# KiCad board Turbo_XT_Mainboard R3.kicad_pcb (continued)
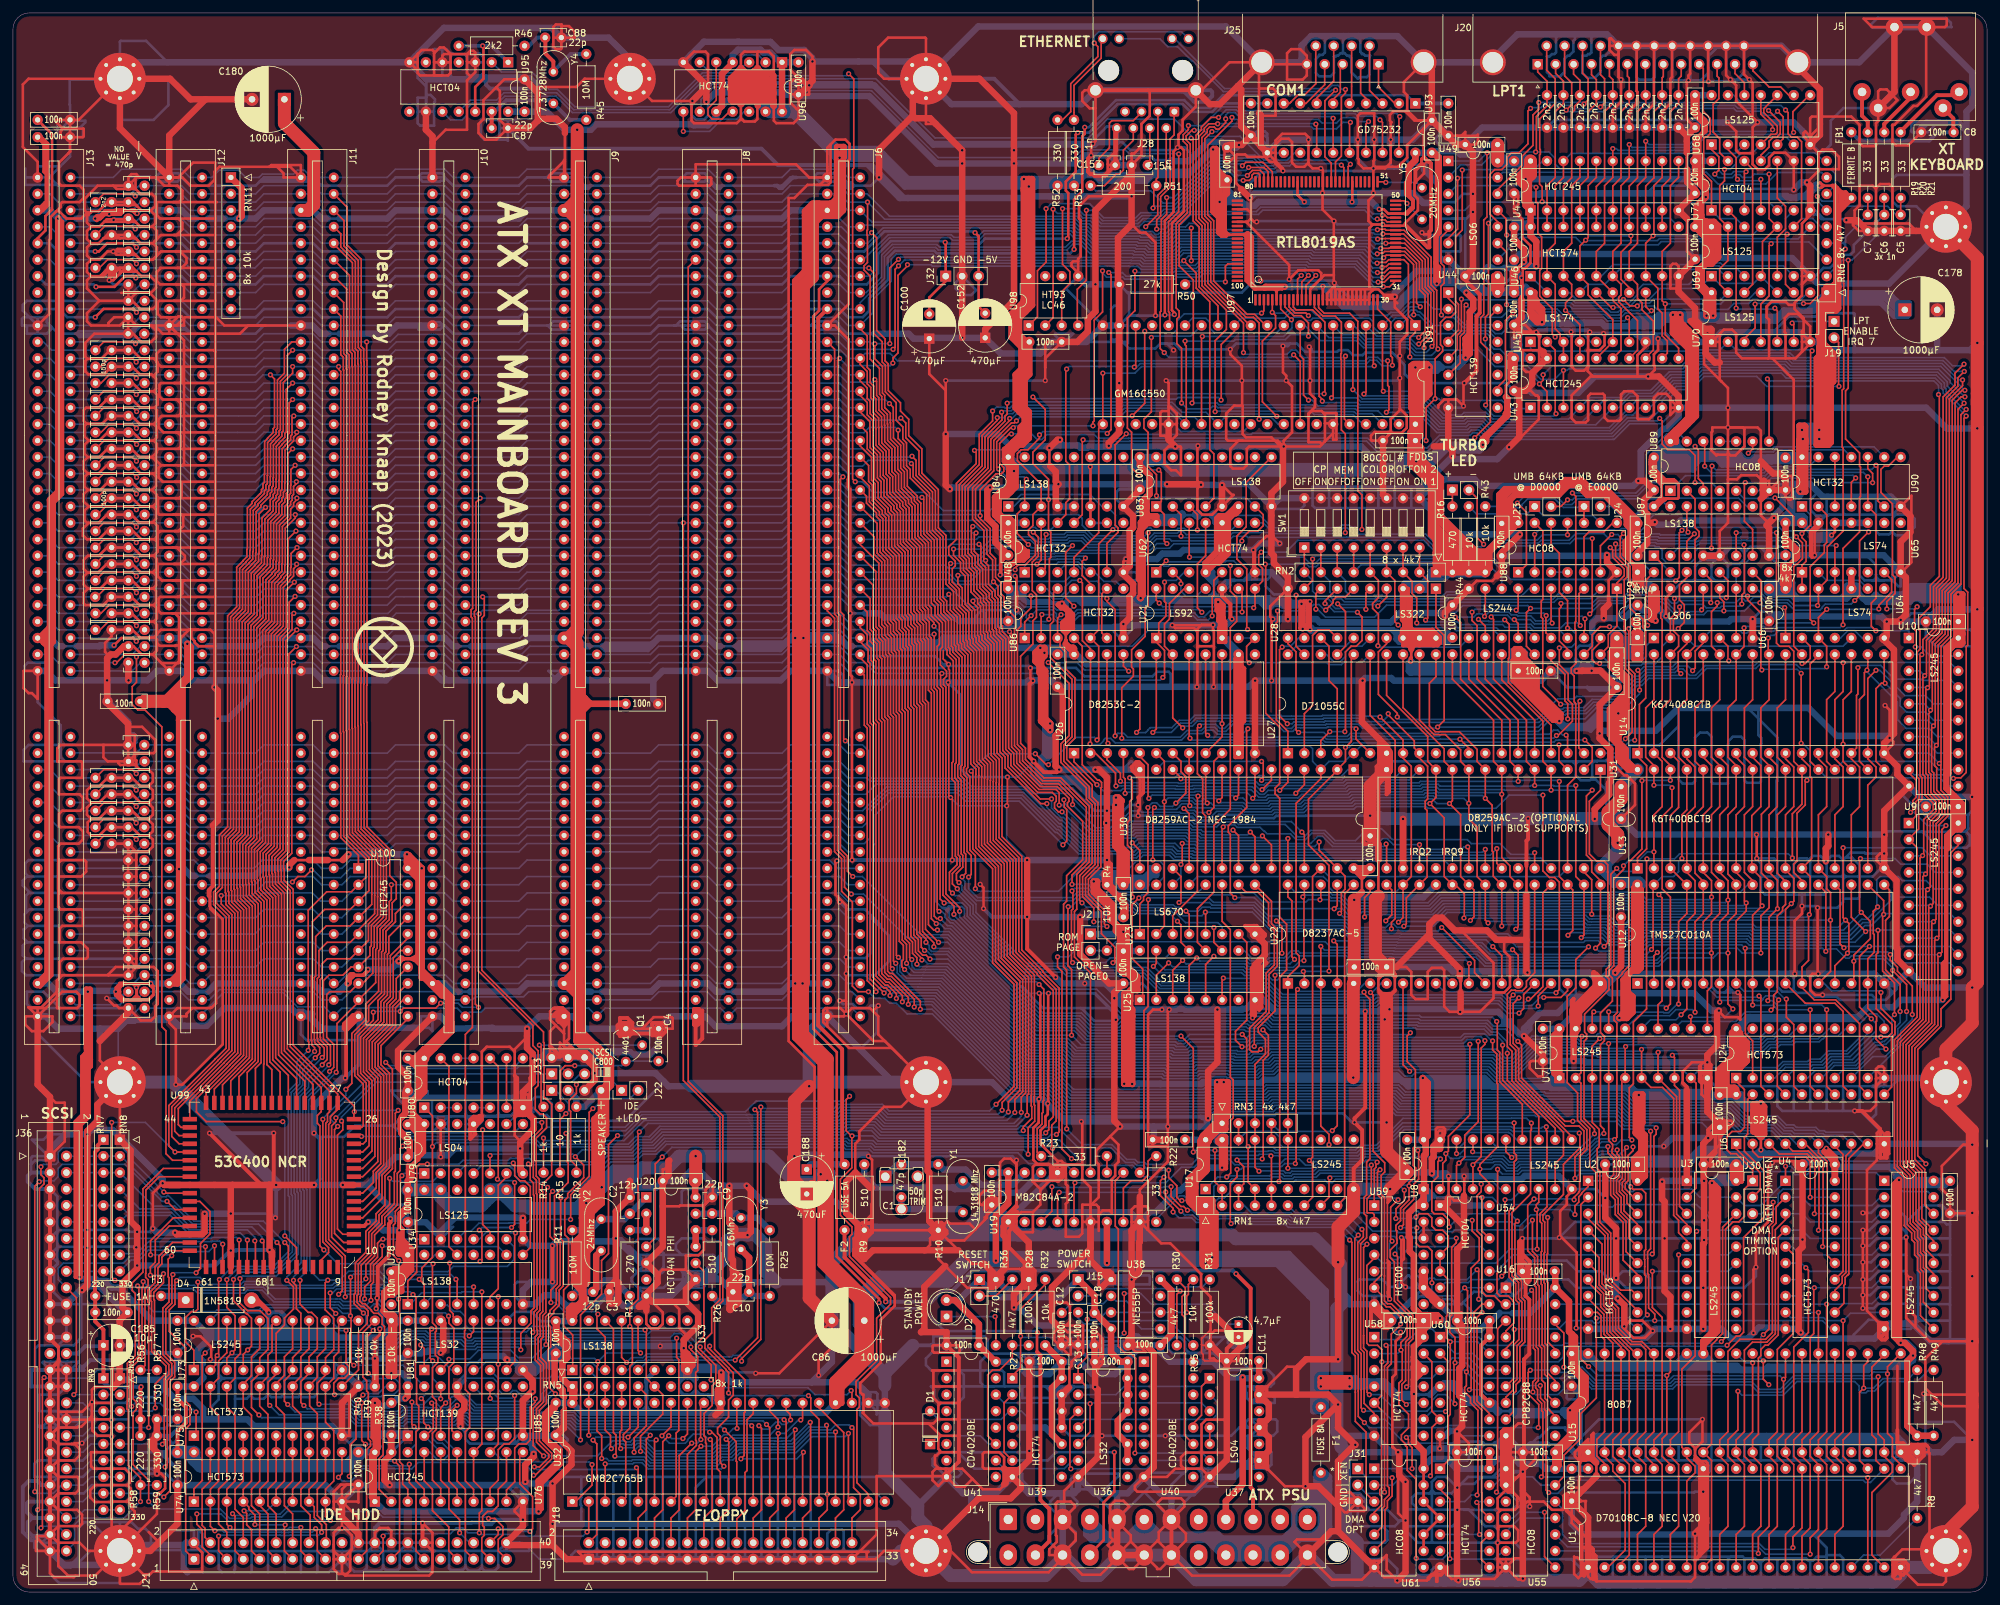
[diagram p0: board, top side]
## Routing (per net, layer and track width the routed paths; a pad name or vN(x,y) marks a point on that pad's centre or on a via; arc(x,y) is an arc through that point) (continued)
  Top w0.4: 105.54,217.17 105.41,217.3 J8.1 ; 105.54,217.17 107.57,217.17 107.82,217.42 107.82,218.31 107.7,218.44 J8.1 ; 105.54,217.17 102.87,217.17 102.62,217.42 102.62,217.93 103.12,218.44 J8.1 ; v1(229.24,7.62) 229.3,7.69 229.3,9.72 ; v1(229.24,7.62) 229.24,5.08 ; v1(229.24,7.62) 232.03,7.62 232.41,8 232.41,9.52 231.77,10.16 229.49,10.16 229.3,9.98 229.3,9.72 ; 156.34,45.72 157.86,47.24 157.86,49.66 157.48,50.04 155.83,50.04 155.83,47.24 155.57,46.99 ; 156.34,45.72 v1(154.56,43.94) ; 156.34,45.72 156.34,45.97 156.84,46.48 R28.1 156.84,48.51 155.45,49.91 153.54,49.91 152.78,49.15 152.78,48.51 152.72,48.45 ; v1(15.17,26.6) 15.1,26.67 12.46,26.67 12.39,26.6 ; v1(15.17,26.6) 15.24,26.67 15.24,29.21 ; v1(15.17,26.6) 15.24,26.53 15.24,24.26 ; U97.26 U97.25 ; U97.26 208.09,201.1 208.03,201.17 ; U97.26 U97.27 ; U97.25 207.44,201.11 207.39,201.17 ; U97.25 U97.24 ; 294,19.94 293.5,19.94 292.74,20.7 292.74,22.61 ; 294,19.94 292.74,19.94 290.96,21.72 290.96,34.93 ; 294,19.94 R8.1 ; 294,19.94 293.62,19.56 293.5,19.56 ; 16.57,203.64 16.51,203.71 16.51,204.47 ; 16.57,203.64 15.88,202.95 ; 16.57,203.64 16.83,203.9 ; J36.47 6.98,7.62 10.29,7.62 11.56,6.35 H6.1 ; J36.47 7,10.18 10.31,10.18 10.67,10.54 10.67,11.94 9.91,12.7 6.98,12.7 J36.43 6.98,15.24 9.65,15.24 10.16,15.75 10.16,17.53 9.91,17.78 6.98,17.78 J36.39 6.98,20.32 9.52,20.32 10.29,21.08 10.29,22.1 9.52,22.86 9.02,22.86 ; J36.47 5.59,8.89 5.33,8.64 3.68,8.64 3.68,8.38 3.87,8.19 ; 277.5,160.02 277.75,159.77 278.13,159.77 ; 277.5,160.02 277.5,160.15 ; 277.5,160.02 278.1,160.02 v1(278.18,160.1) ; 231.9,5.21 232.79,5.21 233.12,4.87 ; 231.9,5.21 231.77,5.08 230.5,5.08 ; 231.9,5.21 U55.7 ; C45.2 53.34,13.84 53.21,13.97 U74.10 ; C45.2 50.8,14.05 U74.10 ; C45.2 50.63,16.59 49.53,15.49 49.53,13.97 ; C45.2 51.51,16.59 50.8,15.88 U74.10 ; 21.72,149.86 19.61,149.86 18.34,151.13 C133.2 C120.1 ; 21.72,149.86 22.22,150.37 22.22,151.89 21.72,152.4 ; 21.72,149.86 22.22,149.35 22.22,147.83 ; v1(66.04,36.96) 66.17,36.83 ; 106.68,59.69 103,59.69 102.87,59.56 100.33,59.56 ; 106.68,59.69 C9.1 ; 106.68,59.69 106.93,59.94 ; 106.68,59.69 106.68,52.83 105.85,52 104.58,52 104.52,51.94 103.89,51.94 103.89,49.91 103.76,49.78 ; 12.06,203.2 11.43,203.84 11.43,205.11 12.06,205.74 ; 12.06,203.2 11.43,202.56 11.43,201.3 13.33,199.39 ; 12.06,203.2 13.59,203.2 ; 260.35,79.25 260.48,79.38 U7.10 260.6,80.39 260.6,81.15 260.48,81.28 ; 260.35,79.25 260.35,78.87 260.73,78.49 260.73,76.84 261.49,76.07 261.62,76.07 ; 260.35,79.25 260.35,81.15 260.48,81.28 ; C59.2 10.79,224.66 10.92,224.79 10.92,225.93 10.88,225.98 8.81,225.98 ; C59.2 8.81,222.42 8.57,222.19 ; C59.2 8.81,225.98 ; C59.2 7.37,224.66 7.37,225.55 7.56,225.74 7.56,226.12 ; 229.24,5.08 230.5,5.08 ; 229.24,5.08 U55.7 ; 229.24,5.08 229.24,2.54 229.04,2.35 ; 230.5,5.08 U55.7 ; 15.88,202.95 15.68,203.14 15.68,203.64 ; 15.88,202.95 15.49,202.56 v1(14.86,202.56) ; 15.24,13.84 15.37,13.97 17.53,13.97 ; 15.24,13.84 15.24,7.62 H6.1 ; 15.24,13.84 15.24,14.1 ; 12.06,208.28 11.43,207.64 11.43,206.38 12.06,205.74 ; 12.06,208.28 13.25,208.28 13.99,209.02 ; 12.06,208.28 11.43,208.92 11.43,210.19 12.06,210.82 ; 219.34,68.09 220.22,68.96 220.34,68.96 220.34,69.85 ; 173.99,58.67 173.99,59.56 ; 173.99,59.56 173.23,59.56 172.72,59.06 172.72,57.15 ; 173.99,59.56 173.99,62.14 178.31,66.46 178.31,68.83 ; 173.99,59.56 175.01,59.56 175.26,59.31 175.26,57.4 ; 167.64,57.15 167.64,55.75 ; 167.64,57.15 U19.6 ; 167.64,57.15 167.64,58.04 ; 212.79,179.14 212.42,178.77 212.42,178.69 ; 212.79,179.14 210.25,179.14 209.68,178.56 209.68,177.93 209.8,177.8 C71.2 ; 212.79,179.14 212.72,179.21 212.72,181.1 214.12,182.5 214.12,182.75 ; U65.13 278.13,164.47 278.13,163.96 ; U65.13 277.75,164.08 ; U65.13 279.15,164.72 ; U65.13 278.76,165.35 ; U65.13 278.76,164.34 278.13,163.7 ; U65.13 278.76,164.72 278.13,164.08 278.13,163.96 ; 232.77,194.54 232.77,191.92 233.04,191.64 ; 232.77,194.54 231.77,193.55 C43.2 233.51,195.66 234.29,194.87 234.29,194.54 ; 232.77,194.54 232.89,194.54 ; 25.65,146.18 25.65,150.5 25.02,151.13 24.64,151.13 ; 25.65,146.18 25.65,143.51 25.59,143.45 22.92,143.45 ; 25.65,146.18 25.13,146.18 25.08,146.12 22.66,146.12 22.22,146.56 22.22,147.07 ; 154.81,58.8 153.67,57.66 U19.1 ; 154.81,58.8 155.07,58.8 155.19,58.67 U19.1 ; 154.81,58.8 154.43,58.8 ; 202.12,177.23 201.8,177.55 200.02,177.55 200.02,181.61 ; 202.12,177.23 201.78,176.89 v1(196.2,176.89) ; 202.12,177.23 202.56,177.67 ; J6.80 125.73,87.38 ; J6.80 128.27,88.9 v1(128.65,89.28) ; J6.80 125.73,90.17 ; 125.73,87.38 129.1,84.01 135.7,84.01 ; 125.73,87.38 125.09,88.01 125.09,89.79 125.48,90.17 125.73,90.17 ; 210.44,125.35 210.44,127.51 210.82,127.89 210.82,129.54 ; 290.19,4.19 290.19,5.08 291.72,6.6 295.2,6.6 H10.1 ; 290.19,4.19 290.19,2.41 290.58,2.03 291.34,2.03 291.46,2.16 U1.20 ; 290.19,4.19 290.58,3.81 U1.20 ; 172.72,211.2 173.99,209.93 174.88,209.93 176.4,208.41 v1(176.4,197.1) ; v1(167,40.39) 167.89,39.5 ; v1(167,40.39) C18.2 ; v1(167,40.39) 166.62,40.39 166.62,38.48 C18.2 ; 167.89,39.5 167.89,36.37 C15.2 168.02,35.56 168.27,35.31 ; 167.89,39.5 168.27,39.12 168.27,37.97 ; 235.65,190.43 235.65,189.3 235.58,189.23 ; 235.65,190.43 236.79,190.43 U43.19 235.58,191.77 233.17,191.77 233.04,191.64 ; 235.65,190.43 235.65,192.21 ; v1(213.74,1.78) 212.09,3.43 212.09,5.71 211.33,4.95 ; v1(213.74,1.78) 213.23,2.29 211.71,2.29 U61.7 ; v1(213.74,1.78) 218.31,1.78 218.57,2.03 219.07,2.67 U56.7 222.12,2.03 222.95,2.03 v1(223.17,1.81) 223.39,2.03 228.73,2.03 229.04,2.35 ; 21.19,121.52 20.79,121.92 19.68,121.92 18.41,123.19 C158.1 C163.1 14.6,123.19 13.33,121.92 12.23,121.92 ; 21.19,121.52 21.19,121.69 20.95,121.92 21.59,122.56 21.59,123.82 20.95,124.46 ; 21.19,121.52 21.59,121.12 21.59,120.02 20.95,119.38 20.79,119.38 ; 207.39,201.17 208.03,201.17 ; 207.39,201.17 206.88,201.17 ; 27.56,148.59 27.56,147.32 28.06,146.82 28.06,146.63 28.64,146.05 31.24,146.05 ; 27.56,148.59 28.57,148.59 ; 27.56,148.59 27.18,148.59 25.91,147.32 25.91,144.02 J12.31 22.92,143.45 ; 49.53,5.08 49.53,3.56 50.29,2.79 51.56,2.79 52.07,3.3 52.07,5.08 ; 49.53,5.08 49.53,7.37 ; 49.53,5.08 J21.19 ; 160.27,63.75 160.02,63.5 ; 160.27,63.75 160.53,63.5 ; 160.27,63.75 U19.15 ; 160.02,63.5 158.62,62.1 ; 160.02,63.5 160.15,63.63 160.15,65.91 ; 11.56,175.26 11.05,175.77 11.05,177.16 11.68,177.8 ; 11.56,175.26 13.33,175.26 14.6,176.53 C110.1 C143.2 18.29,176.53 19.39,175.43 19.45,175.43 19.62,175.26 20.45,175.26 ; 11.56,175.26 10.92,174.62 10.92,173.35 11.56,172.72 ; J31.3 206.18,12.51 ; J31.3 207.64,14.22 206.5,15.37 204.72,15.37 204.6,15.24 204.6,14.1 ; J31.3 208.79,12.83 208.79,12.7 208.6,12.51 206.18,12.51 ; 206.18,12.51 205.99,12.32 205.61,12.32 204.6,13.33 ; 125.73,90.17 127.76,90.17 v1(128.65,89.28) ; 18.99,200.62 19.02,200.59 C122.2 ; 18.99,200.62 18.58,200.62 ; 18.99,200.62 19.03,200.66 21.07,200.66 21.14,200.59 ; U61.7 210.19,4.83 ; U61.7 211.33,4.95 ; U61.7 208.28,1.91 203.68,1.91 J14.24 ; 210.19,4.83 209.17,4.83 ; 210.19,4.83 211.2,4.83 211.33,4.95 ; C40.2 240.66,16.13 242.32,16.13 242.53,15.92 ; C40.2 239.42,12.8 ; C40.2 240.66,10.67 243.2,8.13 243.2,4.95 ; C40.2 240.64,14.07 239.42,14.07 ; C40.2 239.65,15.07 239.6,15.07 239.39,14.86 239.42,14.84 239.42,14.07 ; C40.2 242.87,14.05 242.8,13.98 242.8,11.91 ; 264.79,171.83 264.79,165.1 263.52,163.83 263.52,160.02 ; 264.79,171.83 264.79,175.64 ; 264.79,171.83 266.19,171.83 266.83,172.47 269.24,172.47 270.13,171.58 ; 83.82,87.5 82.93,88.39 82.93,88.65 ; 83.82,87.5 82.93,86.61 82.93,82.93 83.18,82.68 J33.2 84.45,82.55 84.45,84.84 85.72,83.57 ; 83.82,87.5 85.09,86.23 ; 250.82,187.71 243.59,187.71 240.66,184.78 240.66,181.23 241.3,180.59 242.82,180.59 243.2,180.97 243.2,184.66 243.59,185.04 245.49,185.04 245.75,184.78 245.75,181.36 246.25,180.85 248.03,180.85 248.28,181.1 248.28,184.91 248.79,185.42 250.06,185.42 250.82,184.66 250.82,181.23 250.95,181.1 252.6,181.1 253.37,181.86 253.37,184.4 254,185.04 255.27,185.04 255.9,184.4 255.9,183.9 ; 250.82,187.71 250.82,191.01 252.09,192.28 U45.8 ; 250.82,187.71 v1(252.48,187.71) ; 19.05,100.33 19.05,102.87 ; 19.05,100.33 C172.2 ; 19.05,100.33 19.05,97.79 ; 19.05,102.87 19.05,105.54 ; 19.05,102.87 C171.2 ; 84.76,25.57 84.76,27.99 85.16,28.39 85.16,28.63 ; 84.76,25.57 84.63,25.57 83.82,24.76 C96.2 ; 84.76,25.57 84.76,25.15 ; 244.09,2.03 244.47,2.03 244.47,2.41 ; 244.09,2.03 244.47,1.65 259.08,1.65 259.71,2.29 v1(259.71,9.02) ; 244.09,2.03 243.59,2.03 243.2,2.41 U1.1 ; 257.81,78.61 257.81,80.39 259.21,81.79 v1(261.61,81.79) 260.99,81.79 260.48,81.28 ; 137.16,82.55 135.7,84.01 ; 137.16,82.55 134.62,85.09 132.84,85.09 v1(128.65,89.28) ; 137.16,82.55 H4.1 137.16,74.93 134.49,74.93 130.68,71.12 130.68,69.85 130.05,69.22 130.05,64.77 ; 135.7,84.01 133.6,86.11 133.6,88.9 132.91,89.6 ; 11.49,190.43 11.18,190.74 11.18,192.91 12.57,194.31 C105.1 ; 11.49,190.43 11.18,190.12 11.18,188.47 11.61,188.03 14.04,188.03 C104.1 C148.2 18.41,189.23 19.62,188.03 21.39,188.03 21.65,187.77 ; 11.49,190.43 13.65,190.43 14.99,191.77 C103.1 C149.2 18.41,191.77 19.68,190.5 21.72,190.5 22.35,189.87 22.35,188.47 21.65,187.77 ; C168.1 19.05,110.49 ; C168.1 C167.1 ; C168.1 17.82,110.45 C169.2 ; 19.05,110.49 19.05,107.95 ; 19.05,110.49 19.05,113.03 ; U97.83 190.58,213.54 191.13,212.98 ; 233.68,112.08 233.68,107.63 ; 22.22,147.07 22.22,145.41 21.59,144.78 ; 22.22,147.07 21.84,147.45 21.79,147.39 ; v1(22.22,18.29) 22.86,18.29 23.49,17.65 23.49,16 22.8,15.31 22.55,15.31 22.22,14.99 22.22,12.06 H6.1 ; 277.75,164.08 277.5,163.83 277.5,160.15 ; 277.75,164.08 277.75,160.53 v1(278.18,160.1) ; 255.9,201.8 255.9,201.3 256.79,201.3 257.18,201.68 U46.10 ; 255.9,201.8 255.9,204.72 256.29,205.11 256.79,205.11 257.18,204.72 U46.10 ; 255.9,201.8 255.9,201.93 ; 151,49.28 151,47.24 ; 151,49.28 151.76,48.51 R36.2 ; 151,49.28 149.61,50.67 148.08,50.67 144.46,54.29 ; 151,47.24 151,47.5 R36.2 ; 151,47.24 151,46.86 ; v1(233.12,18.59) 232.19,17.65 230.89,17.65 230.5,18.03 ; v1(233.12,18.59) 235.08,20.54 235.08,21.46 234.95,21.59 C64.2 230.63,21.59 230.5,21.46 ; v1(233.12,18.59) 231.05,16.51 U55.2 ; v1(263.4,89.79) 263.4,89.66 264.29,88.77 266.32,88.77 266.7,88.39 266.7,92.2 v1(266.32,92.58) ; 120.01,231.27 120.01,230 121.03,228.98 121.28,228.98 ; 120.01,231.27 121.24,231.27 C46.2 ; 120.01,231.27 120.01,233.05 120.52,233.55 121.79,233.55 121.92,233.68 122.49,233.11 ; C173.2 19.09,96.52 19.56,96.52 ; C173.2 C174.2 ; C173.2 C172.2 ; C173.2 19.05,97.79 ; 103.76,49.78 100.26,49.78 99.54,49.05 ; 103.76,49.78 103.89,49.78 U20.9 ; 165.1,65.28 165.1,63.75 166.37,62.48 U19.6 ; 165.1,65.28 165.1,72.52 v1(164.96,72.66) ; 165.1,65.28 165.1,65.91 164.97,66.04 162.56,66.04 U19.15 ; 64.77,5.71 64.77,3.05 64.26,2.54 51.31,2.54 50.8,3.05 J21.19 ; 64.77,5.71 64.77,6.35 J21.30 64.77,7.62 ; 64.77,5.71 64.77,7.62 ; 212.85,92.46 212.09,91.69 212.09,91.57 ; 212.85,92.46 213.43,93.03 ; 212.85,92.46 212.85,90.3 212.09,89.53 ; 212.85,92.46 211.45,92.46 ; 115.06,237.87 112.9,237.87 112.39,237.36 112.39,227.58 112.65,227.33 ; 115.06,237.87 114.94,237.74 114.94,235.33 115,234.88 115,229.55 114.94,229.48 114.94,227.46 114.55,227.08 112.9,227.08 112.65,227.33 ; 115.06,237.87 116.71,237.87 117.47,237.11 117.47,227.2 117.86,226.82 120.52,226.82 121.28,227.58 121.28,228.98 ; 241.94,20.19 242.13,20.38 244.03,20.38 244.03,24.57 243.71,24.26 243.71,22.1 U15.1 ; 241.94,20.19 241.17,20.95 241.17,21.59 242.25,22.67 ; 241.94,20.19 241.94,19.81 ; 49.53,13.97 49.53,12.95 50.16,12.32 50.8,12.32 ; 49.53,13.97 U74.10 ; 269.88,170.18 270,170.05 U89.7 ; 269.88,170.18 269.88,171.2 270.13,171.45 270.13,171.58 ; 269.88,170.18 269.88,166.24 270.7,165.42 271.46,165.42 ; 222.96,43.13 223.01,43.18 223.65,43.18 223.65,42.42 223.14,41.91 C76.2 222.96,40.56 223.76,39.77 ; 77.47,83.44 77.47,83.81 79.38,85.71 79.38,85.85 ; 77.47,83.44 76.71,84.2 73.15,84.2 72.39,83.44 72.39,73.53 71.12,72.26 ; 77.47,83.44 77.47,76.07 ; J5.SH J5.SH 287.05,241.66 285.75,242.95 298.58,242.95 298.58,241.94 298.3,241.66 J5.SH ; J5.SH 295.4,241.57 295.4,230.89 294,229.49 293.43,229.49 290.5,226.57 290.19,226.57 290.19,223.9 290.7,223.39 292.61,223.39 C8.2 ; v1(196.2,176.89) 190.86,176.89 190.5,176.53 190.5,173.99 189.99,173.48 188.34,173.48 187.96,173.86 187.96,176.53 189.23,177.8 189.87,177.8 ; v1(196.2,176.89) 196.2,177.78 197.49,179.07 197.49,186.18 v1(196.6,187.07) 196.6,187.83 196.09,188.34 v1(196.09,192.41) ; v1(196.2,176.89) 195.29,177.8 189.87,177.8 ; v1(196.2,176.89) 195.73,176.89 194.31,178.31 190.37,178.31 189.87,178.82 189.87,183.13 189.8,183.2 ; 14.86,144.53 14.22,145.16 14.22,146.56 15.24,147.57 C121.1 C132.2 18.46,148.59 19.66,147.39 21.79,147.39 ; 210.89,92.77 210.89,93.02 ; 210.89,92.77 210.89,92.51 211.2,92.2 ; 210.89,92.77 211.2,92.46 ; 210.89,93.02 211.45,92.46 ; 210.89,93.02 210.82,93.09 210.82,94.6 210.89,94.67 ; 24.38,196.85 24.26,196.85 24.13,196.72 ; 24.38,196.85 23.75,196.85 ; 24.38,196.85 25.15,196.85 25.27,196.72 ; 229.04,2.35 U55.7 ; 174.24,223.27 173.1,222.12 172.72,222.12 C154.1 174.24,221.87 174.24,223.27 ; 174.24,223.27 174.24,226.69 175.51,227.97 175.51,231.66 175.27,231.91 ; J36.29 8.25,31.75 8.25,34.29 J36.27 ; C94.2 151.13,62.1 151,61.98 149.99,61.98 149.22,61.21 149.22,60.07 149.53,59.77 C94.2 ; C94.2 152.4,61.04 152.4,62.87 ; C94.2 151.13,59.18 150.37,58.42 150.37,57.79 150.05,57.47 ; C125.2 18.41,207.01 18.99,206.44 ; C125.2 17.31,206.5 16.64,206.5 ; C125.2 17.44,207.39 16.13,207.39 15.75,207.01 v1(15.49,207.01) 16,206.5 16.64,206.5 ; C125.2 14.6,207.01 13.33,205.74 12.06,205.74 ; 31.24,181.74 31.24,179.2 ; 31.24,181.74 31.24,184.28 ; 31.24,181.74 31.11,181.61 25.27,181.61 ; 31.24,179.2 31.11,179.07 25.27,179.07 ; 31.24,179.2 31.24,176.28 ; v1(187.96,191.9) 187.96,191.13 189.74,189.36 v1(189.74,187.07) 189.8,187.01 189.8,183.2 ; 24.89,199.39 22.59,199.39 22.35,199.15 22.35,197.36 22.86,196.85 23.75,196.85 ; 24.89,199.39 31.24,199.39 ; 24.89,199.39 25.91,199.39 26.42,199.9 26.42,201.55 26.03,201.93 25.27,201.93 ; 65.02,237.62 65.02,237.87 64.77,238.12 63.12,238.12 62.61,237.62 ; 65.02,237.62 65.02,236.22 ; 65.02,237.62 65.91,238.51 66.55,238.51 67.56,237.49 67.56,236.22 ; 247.9,237.49 247.9,238.74 J20.18 ; 247.9,237.49 247.78,237.36 247.27,237.36 246.51,238.12 246.51,238.76 ; 247.9,237.49 247.9,233.93 v1(248.28,233.55) 248.28,230.12 247.01,228.85 C24.2 ; 287.53,211.33 290.19,211.33 ; 287.53,211.33 284.1,211.33 284.1,211.07 284.99,210.19 C7.2 284.35,212.22 284.35,213.36 285.12,214.12 285.12,217.04 285.24,217.17 287.15,217.17 287.65,216.66 ; 287.53,211.33 287.65,211.45 287.65,216.66 ; 290.19,211.33 290.19,216.92 289.69,217.42 288.29,217.42 287.65,216.79 287.65,216.66 ; 290.19,211.33 292.74,211.33 293.88,210.19 ; 208.79,201.17 208.03,201.17 ; 208.79,201.17 208.75,201.12 U97.27 ; 208.79,201.17 210.09,201.17 ; 183.45,49.09 183.45,47.05 184.91,45.58 184.91,39.75 ; 183.45,49.09 183.46,49.09 ; 183.45,49.09 178.69,53.85 177.29,53.85 175.2,55.94 ; C72.2 275.84,66.04 275.34,66.55 271.91,66.55 v1(271.65,66.29) 270.98,65.62 270.98,57.11 269.11,55.24 v1(269.11,50.16) 268.73,49.78 v1(268.73,40) ; C106.1 C147.2 18.48,186.69 19.75,185.42 21.72,185.42 ; 62.48,236.09 62.48,237.49 62.61,237.62 ; 62.48,236.09 62.48,234.95 ; 62.48,236.09 62.36,236.22 U95.7 ; J33.4 86.8,83.63 ; 86.8,83.63 87.88,82.55 J33.6 ; 86.8,83.63 86.3,84.14 ; 198.5,34.8 196.72,34.8 U37.13 ; 184.91,39.75 184.91,38.23 R31.1 184.78,36.07 185.42,36.07 185.8,35.69 C17.2 189.1,35.69 189.23,35.81 C11.2 188.21,40.39 185.55,40.39 184.91,39.75 ; H6.1 12.7,2.54 9.65,2.54 ; H6.1 20.13,2.73 ; H6.1 16.51,1.4 16.64,1.27 19.56,1.27 20.45,2.16 20.45,2.41 20.13,2.73 ; 210.89,94.67 210.89,95.32 ; 210.89,94.67 210.89,94.68 211.52,95.32 211.65,95.32 ; 210.89,95.32 211.27,95.32 ; 210.89,95.32 C53.2 ; 210.89,95.32 211.65,95.32 ; C88.2 86.74,240.03 86.74,240.92 85.85,241.81 84.71,241.81 ; C88.2 84.67,238.34 84.58,238.25 83.82,238.25 83.44,238.63 83.44,240.03 ; C88.2 84.71,240.07 84.71,241.81 ; C88.2 83.44,240.03 ; 202.68,8.52 202.28,8.13 198.25,8.13 197.87,7.75 199.87,5.74 J14.24 ; 21.46,170.18 22.22,169.42 22.22,169.16 ; 21.46,170.18 22.1,170.81 22.1,172.21 21.59,172.72 ; 21.46,170.18 19.62,170.18 19.45,170.35 19.39,170.35 18.29,171.45 C141.2 C112.1 14.73,171.45 13.46,170.18 11.56,170.18 ; 19.56,218.44 22.1,218.44 ; 19.56,218.44 19.05,218.44 ; 19.56,218.44 19.05,218.95 18.29,218.95 17.82,218.48 C129.2 ; 22.1,218.44 J12.1 ; 22.1,218.44 23.37,217.17 24.26,217.17 ; U69.7 276.22,201.93 ; U69.7 276.22,203.2 ; U69.7 276.29,204.41 ; 276.22,201.93 276.22,200.22 275.08,199.07 275.08,198.75 ; 276.22,201.93 276.22,203.2 ; 70.1,236.35 70.23,236.22 U95.3 ; 70.1,236.35 70.1,237.49 70.61,238 71.12,238 71.37,237.74 71.37,237.49 ; 70.1,236.35 70.1,234.57 70.68,234 ; 288.93,70.49 288.93,70.74 288.54,71.12 288.04,71.12 287.78,70.87 287.78,69.22 ; 288.93,70.49 288.93,70.61 289.31,70.99 289.56,70.99 289.69,70.87 289.69,67.69 289.43,67.44 288.93,67.44 U6.10 ; 288.93,70.49 U6.10 ; 24.51,212.09 22.73,212.09 22.22,212.6 22.22,214.63 24.76,214.63 ; 24.51,212.09 25.53,212.09 26.16,211.45 26.16,210.44 25.27,209.55 24.89,209.55 ; 24.51,212.09 31.24,212.09 ; v1(10.67,22.99) 9.52,22.99 9.4,22.86 9.02,22.86 ; v1(191.01,215.26) 191.13,215.14 191.13,212.98 ; v1(278.18,160.1) 278.18,163.66 278.13,163.7 ; v1(278.18,160.1) 277.54,160.1 277.5,160.15 ; 6.73,213.23 7.37,213.87 7.37,214.38 7.62,214.63 10.29,214.63 10.92,215.26 10.92,216.53 10.29,217.17 7.49,217.17 7.11,217.55 7.11,220.73 8.57,222.19 ; 6.73,213.23 5.84,212.34 5.84,209.04 5.59,208.79 5.59,197.36 J13.10 ; 6.73,213.23 7.11,213.23 7.89,212.46 7.89,212.46 8.25,212.09 10.54,212.09 11.49,213.04 12,213.04 ; v1(204.02,202.16) 204.02,201.36 204.19,201.19 ; v1(204.02,202.16) 203.94,202.24 203.94,203.35 ; v1(204.02,202.16) 204.02,201.61 203.52,201.1 ; 293.5,19.56 294,20.07 R8.1 ; 293.5,19.56 U15.20 ; U19.9 172.72,57.15 ; U19.9 175.01,57.15 175.26,57.4 ; U19.9 175.2,55.94 ; 172.72,57.15 172.72,55.63 ; 17.82,200.62 C122.2 ; 17.82,200.62 18.58,200.62 ; 17.82,200.62 C123.2 ; C122.2 13.33,199.39 ; C122.2 18.41,199.39 19.68,198.12 21.59,198.12 22.1,198.63 22.1,199.63 21.14,200.59 ; 287.65,79.25 287.78,79.38 U24.10 ; 287.65,79.25 287.65,78.1 ; 287.65,79.25 287.65,80.39 ; 210.82,129.54 210.82,131.83 ; 210.82,129.54 U27.7 ; U19.1 153.67,58.04 153.99,58.36 ; U19.1 154.81,57.15 154.94,57.28 ; 21.84,208.53 22.86,209.55 24.89,209.55 ; 21.84,208.53 21.59,208.28 ; 21.84,208.53 22.22,208.92 22.22,210.19 21.59,210.82 21.46,210.82 ; 14.17,214.18 14.62,214.63 C98.1 C128.2 18.67,214.63 18.67,214.5 19.18,214 ; 14.17,214.18 19,214.18 19.18,214 ; 14.17,214.18 13.23,213.23 12.19,213.23 12,213.04 ; 155.45,18.92 155.32,19.05 153.03,19.05 ; 59.76,71.82 59.76,71.61 61.27,70.1 61.27,69.54 ; 59.76,71.82 59.76,72.7 60.58,73.52 60.58,73.91 ; 59.76,71.82 59.76,71.05 59.94,70.87 ; U55.2 232.71,14.3 233.12,14.3 ; U55.2 230.5,15.75 229.24,14.48 229.24,12.95 229.62,12.57 ; U55.2 232.28,14.73 232.28,13.08 231.9,12.7 229.74,12.7 229.62,12.57 ; 244.47,5.08 244.47,3.56 ; 244.47,5.08 244.47,5.59 244.22,5.84 243.2,5.84 ; 244.47,5.08 U1.1 ; 244.47,3.56 244.47,2.41 ; 244.47,3.56 244.22,3.81 U1.1 ; 168.85,219.01 169.04,219.2 169.04,220.47 ; v1(220.28,22.16) 220.34,22.23 U60.7 ; 85.22,220.85 84.96,220.85 82.8,218.69 82.8,218.57 82.68,218.44 J9.1 ; 85.22,220.85 85.22,218.57 J9.1 ; 85.22,220.85 85.22,221.23 ; v1(247.14,126.75) 246.63,126.75 ; 209.88,200.96 209.42,201.42 209.42,210.63 209.96,211.17 ; 209.88,200.96 209.39,200.48 U97.28 U97.27 ; 209.88,200.96 210.09,201.17 ; J8.1 105.41,220.47 120.9,220.47 122.94,218.44 J6.1 ; v1(276.99,217.68) 278.76,219.46 278.76,219.71 ; 163.03,31.59 163.13,31.68 163.13,34.6 163.45,34.93 163.45,35.56 164.27,36.39 ; U43.10 256.16,183.9 255.9,183.9 ; U43.10 257.04,182.88 255.9,181.75 255.9,182.75 ; U43.10 256.03,182.88 255.9,182.75 ; 121.28,228.98 C46.2 ; v1(302.51,38.74) 298.96,38.74 ; 298.96,38.74 297.94,38.74 295.27,36.07 295.27,31.5 298.07,28.7 302.51,28.7 ; 298.96,38.74 295.91,38.74 293.75,40.89 ; 275.08,198.75 274.19,198.75 273.69,199.26 271.53,199.26 270.76,198.5 270.76,196.85 271.14,196.47 271.14,190.63 271.02,190.5 ; 275.08,198.75 275.08,198.12 276.48,196.72 276.48,194.94 ; 278.13,163.7 278.13,163.96 ; 13.33,199.39 11.43,197.49 11.43,196.22 12.06,195.58 